# Altium PCB Bus_Terminal.PcbDoc
Units mm, origin at the board's own origin, x right, y up, seen from the top; angles counter-clockwise.
Board outline 18 x 52 mm, 2 copper layers (Top Layer, Bottom Layer); 37 components, 30 nets, 120 pads, 81 vias.
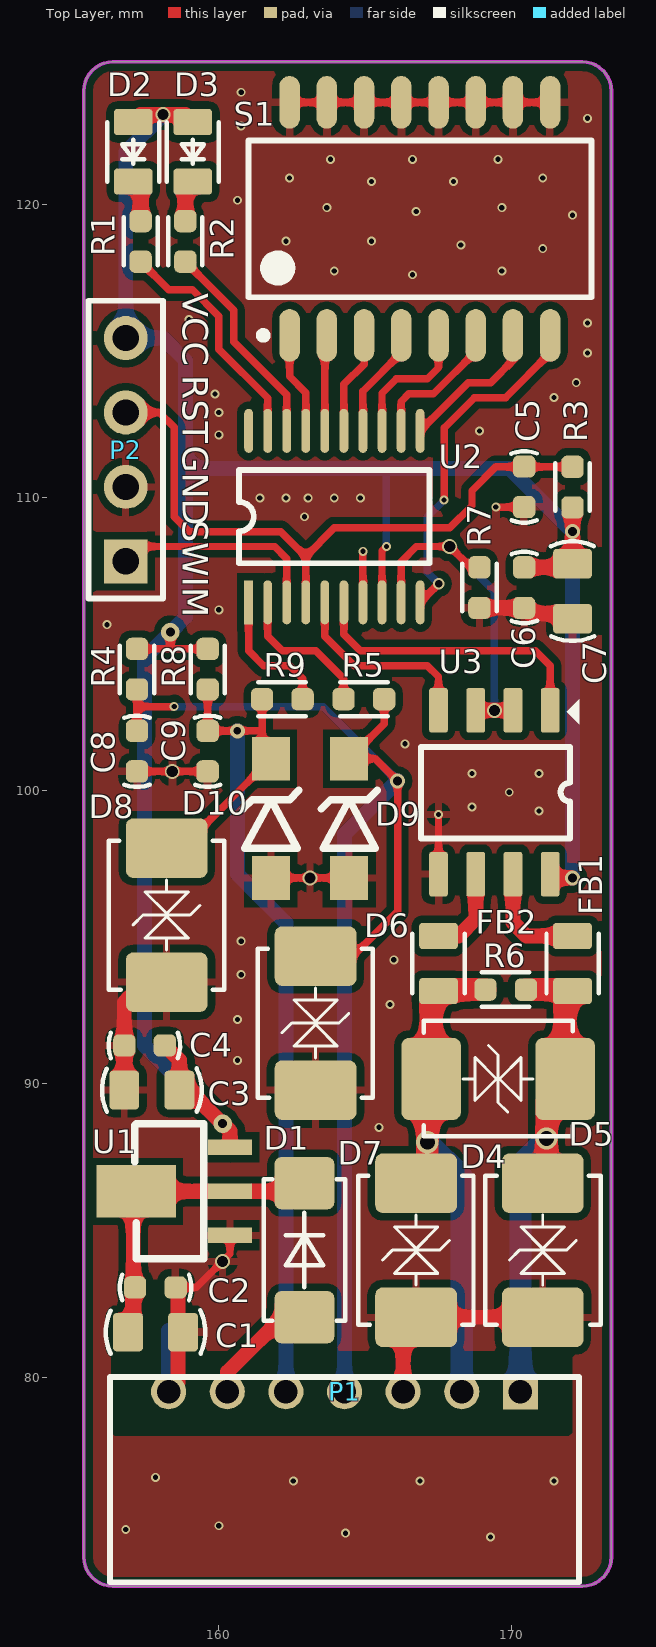
[diagram p0: Top Layer view]
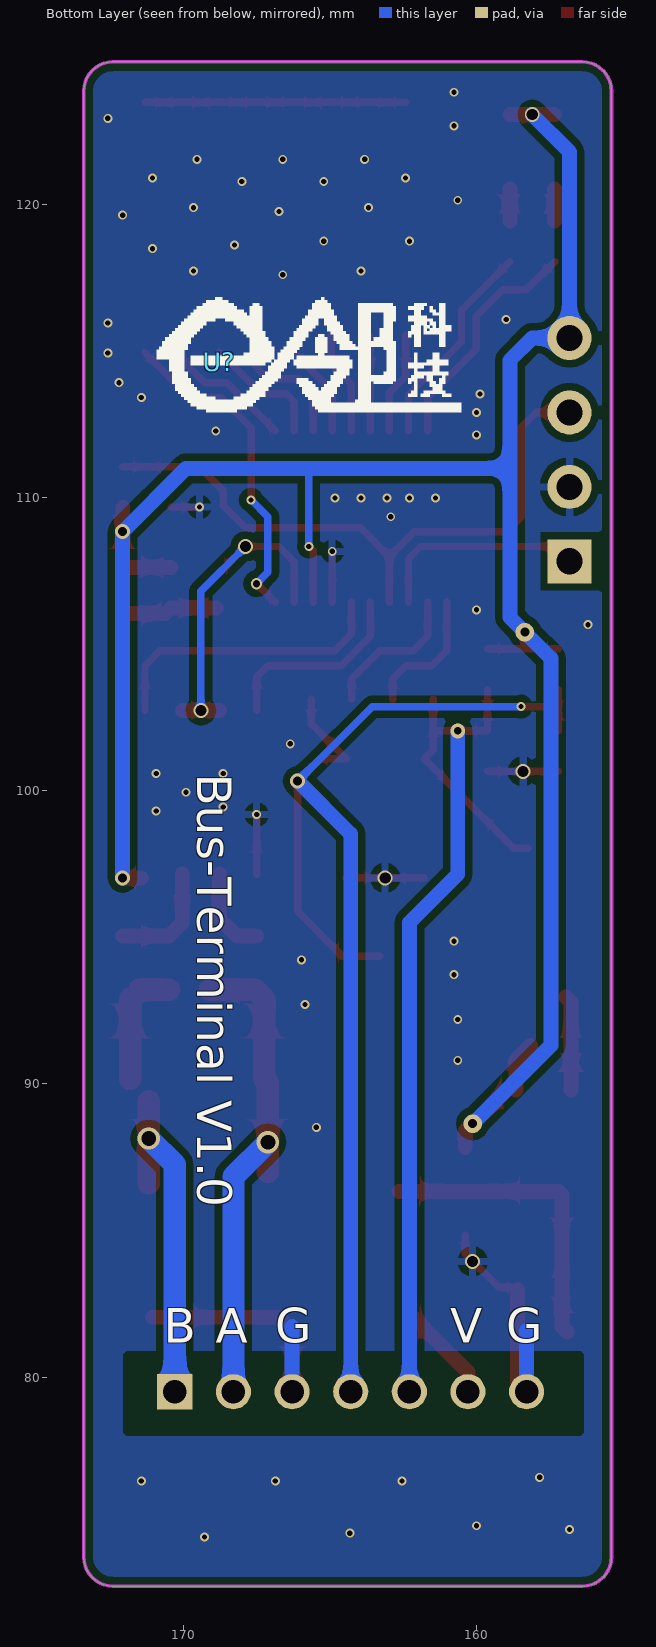
[diagram p1: Bottom Layer view, seen from below]

## Layer stack, top to bottom
Top Solder: solder mask 0.0102, Solder Resist, Dk 3.5
Top Layer: signal copper 0.0356
Dielectric 1: dielectric 0.32, FR-4, Dk 4.8
Bottom Layer: signal copper 0.0356
Bottom Solder: solder mask 0.0102, Solder Resist, Dk 3.5

## Board outline
155.412,73.866 155.412,123.866 cw(c156.412,123.866) 156.412,124.866 172.412,124.866 cw(c172.412,123.866) 173.412,123.866 173.412,73.866 cw(c172.412,73.866) 172.412,72.866 156.412,72.866 cw(c156.412,73.866)

## Design rules (kind name [scope] priority, off if disabled: settings)
Clearance [All] p1: gap=0.254
MinimumSolderMaskSliver [All] p1: minsoldermaskwidth=0
PolygonConnect [All] p1: connectstyle=Relief reliefconductorwidth=0.254 reliefentries=4 polygonreliefangle="90 Angle" airgapwidth=0.254
RoutingVias [All] p1: holewidth=0.508 width=0.508 viastyle="Through Hole" minholewidth=0.127 minwidth=0.254 maxholewidth=1.27 maxwidth=1.27
SilkToSilkClearance [All] p1: silktosilkclearance=0
SilkToSolderMaskClearance [IsPad] p1: minsilkscreentomaskgap=0 clearancetoexposedcopper=TRUE
SolderMaskExpansion [All] p1: expansion=0.102
Width [All] p1: maxlimit=1.27 minlimit=0.254 preferedwidth=0.508
27 further rules are at their usual default settings.

## Components (designator, comment, footprint, x,y, rotation, side; value= is the part's Value field where it differs from the comment)
C1 "10uF" 0805-C 157.861,81.534 r180 top
C2 "100nF" 0603-C 157.861,83.058 r180 top
C3 "10uF" 0805-C 157.734,89.789 r0 top
C4 "100nF" 0603-C 157.48,91.313 r0 top
C5 "100nF" 0603-C 170.434,110.363 r90 top
C6 "100nF" 0603-C 170.434,106.934 r270 top
C7 "10uF" 0805-C 172.085,106.807 r270 top
C8 "100nF" 0603-C 157.226,101.346 r90 top
C9 "100nF" 0603-C 159.639,101.346 r90 top
D1 "1N4007(M7)" DO-214AC(SMA) 162.941,84.328 r90 top
D2 "LED-G" 0805-LED 157.099,121.793 r270 top
D3 "LED-R" 0805-LED 159.131,121.793 r270 top
D4 "SMBJ6.0CA" SMB-DO-214AA-CA 171.069,84.328 r270 top
D5 "SMBJ6.0CA" SMB-DO-214AA-CA 169.545,90.17 r0 top
D6 "SMBJ6.0CA" SMB-DO-214AA-CA 163.322,92.075 r90 top
D7 "SMBJ6.0CA" SMB-DO-214AA-CA 166.751,84.328 r90 top
D8 "SMBJ6.0CA" SMB-DO-214AA-CA 158.242,95.758 r90 top
D9 "ZMM3V3" DIODE_ZMMx 164.465,99.06 r90 top
D10 "ZMM3V3" DIODE_ZMMx 161.798,99.06 r90 top
FB1 "SMD0805P010TF" 0805-R 172.085,94.107 r270 top
FB2 "SMD0805P010TF" 0805-R 167.513,94.107 r270 top
P1 "PH-7AW" PH-7AW 170.307,79.502 r180 top locked
P2 "Header 4" HDR1X4 156.845,107.823 r90 top
R1 "1K" 0603-R 157.353,118.745 r270 top
R2 "1K" 0603-R 158.877,118.745 r270 top
R3 "10K" 0603-R 172.085,110.363 r270 top
R4 "10K" 0603-R 157.226,104.14 r90 top
R5 "2K" 0603-R 164.973,103.124 r180 top
R6 "120R" 0603-R 169.799,93.218 r0 top
R7 "10K" 0603-R 168.91,106.934 r270 top
R8 "10K" 0603-R 159.639,104.14 r90 top
R9 "2K" 0603-R 162.179,103.124 r0 top
S1 "DSHP08TSGER" SOP127P890X230-16N 166.878,119.507 r90 top
U1 "7133" SOT-89 160.401,84.836 r90 top
U2 "STM8L051" TSSOP20 161.036,106.426 r90 top locked
U3 "SP3485" SOP-8 169.418,99.949 r270 top
U? "Comment" elinlogo1 168.797,114.637 r180 bottom

## Footprints (in the part's own frame and the unit in brackets; to place one, negate y for a bottom-side part, rotate by r counter-clockwise, add the part's x,y. Pads: shape width x height; smd on the part's side, far side on the other; paste and mask are expansions set on the pad)
0603-C [mil] "陶瓷电容"
  rrect50% 30x30 smd: 1(-27,0) 2(27.5,-0.06)
  silkscreen extent -48,-17 48,17
0603-R [mil]
  rrect50% 30x30 smd: 1(-27,0) 2(27.5,-0.06)
  silkscreen extent -32,-23 32,23
0805-C [mil] "陶瓷电容"
  rrect25% 40x52 smd: 1(-37,0) 2(37,0)
  silkscreen extent -67,-29 67,29, body extent -39,-24 39,23, height 47
0805-LED [mil] "发光二极管"
  rrect25% 35x52 smd: 1(-40,0) 2(40,0)
  silkscreen extent -40,-35 40,35, body extent -40,-25 40,24, height 43
0805-R [mil]
  rrect25% 35x52 smd: 1(-37,0) 2(37,0)
  silkscreen extent -40,-35 40,35, body extent -39,-25 40,24, height 18
DIODE_ZMMx [mm]
  rect 1.5x1.3 smd: 1(-2.032,0) 2(2.032,0)
  silkscreen extent -1.02,-0.95 0.95,0.95
DO-214AC(SMA) [mil]
  rrect25% 70x80 smd: 1(-90,0) 2(90,0)
  silkscreen extent -95,-55 95,55, body extent -108,-55 108,55, height 91
elinlogo1 [mm]
  silkscreen extent -2.13,-1.73 8.25,2.18
HDR1X4 [mm]
  rect 1.5x1.5 hole 0.9: 1(0,0)
  round 1.5 hole 0.9: 2(2.54,0) 3(5.08,0) 4(7.62,0)
  silkscreen extent -1.27,-1.27 8.89,1.27
PH-7AW [mm] "连接器"
  rect 1.2x1.2 hole 0.8: 1(0,0)
  round 1.2 hole 0.8: 2(2,0) 3(4,0) 4(6,0) 5(8,0) 6(10,0) 7(12,0)
  silkscreen extent -2,-0.5 14,6.5
SMB-DO-214AA-CA [mil] "双向TVS"
  rrect25% 80x110 smd: 1(-90,0) 2(90,0)
  silkscreen extent -100,-77 100,78, body extent -110,-78 110,78, height 104
SOP127P890X230-16N [mm] "SOP, 16-Leads, Body 11.74x5.40mm, Pitch 1.27mm, IPC Medium Density"
  oval 1.8x0.7 smd: 1(-3.975,4.445) 2(-3.975,3.175) 3(-3.975,1.905) 4(-3.975,0.635) 5(-3.975,-0.635) 6(-3.975,-1.905) 7(-3.975,-3.175) 8(-3.975,-4.445) 9(3.975,-4.445) 10(3.975,-3.175) 11(3.975,-1.905) 12(3.975,-0.635) 13(3.975,0.635) 14(3.975,1.905) 15(3.975,3.175) 16(3.975,4.445)
  silkscreen extent -4.1,-5.85 2.67,5.85, body extent -2.7,-5.85 2.7,5.85, height 2.3
SOP-8 [mil]
  rrect25% 60x25 smd: 1(-110,75) 2(-110,25) 3(-110,-25) 4(-110,-75) 5(110,-75) 6(110,-25) 7(110,25) 8(110,75)
  silkscreen extent -125,-99 62,114, body extent -118,-98 118,99, height 69
SOT-89 [mm]
  rect 0.52x1.5 smd: 1(0,0) 2(1.5,0) 3(3,0)
  rect 1.8x2.7 smd: 4(1.5,3.2)
  silkscreen extent -0.8,0.9 3.8,3.25
TSSOP20 [mm] "单片机"
  rect 1.5x0.3 smd: 1(0,0)
  round 0.5 on Top Overlay: 1(0.61,0.635)
  oval 1.5x0.3 smd: 2(0,-0.65) 3(0,-1.3) 4(0,-1.95) 5(0,-2.6) 6(0,-3.25) 7(0,-3.9) 8(0,-4.55) 9(0,-5.2) 10(0,-5.85) 11(5.85,-5.85) 12(5.85,-5.2) 13(5.85,-4.55) 14(5.85,-3.9) 15(5.85,-3.25) 16(5.85,-2.6) 17(5.85,-1.95) 18(5.85,-1.3) 19(5.85,-0.65) 20(5.85,0)
  silkscreen extent 1.33,-6.18 4.52,0.32

## Part data
C1 C2 C3 C4 C5 C6 C7 C8 C9: library part C
D1: library part 1N4007, "1A整流二极管"
D2: library part LED-GRE, "绿色LED"
D3: library part LED-RED, "红色LED"
D4 D5 D6 D7 D8: "TVS"
D9 D10: library part ZMM3V6
FB1 FB2: library part Res, "保险丝"
P1: "连接器"
P2: "Header, 4-Pin"
R1 R2 R3 R4 R5 R6 R7 R8 R9: library part Res
S1: "贴片拨码开关"
U1: "LDO"
U2: "单片机"
U3: library part MAX3485

## Via types
v1: diameter 0.305, hole 0.178, Top Layer to Bottom Layer, tented both sides, 66 vias
v2: diameter 0.508, hole 0.381, Top Layer to Bottom Layer, tented both sides, 6 vias
v3: diameter 0.508, hole 0.305, Top Layer to Bottom Layer, tented both sides, 3 vias
v4: diameter 0.635, hole 0.305, Top Layer to Bottom Layer, tented both sides, 2 vias
v5: diameter 0.762, hole 0.508, Top Layer to Bottom Layer, tented both sides, 2 vias
v6: diameter 0.508, hole 0.254, Top Layer to Bottom Layer, tented both sides, 1 vias
v7: diameter 0.381, hole 0.254, Top Layer to Bottom Layer, tented both sides, 1 vias

## Nets (pads, with @x,y where several pads share a name; then routed paths per layer and width w, separated by ;. In a path a pad name is that pad's centre, name@x,y a point inside that pad or via, vN(x,y) a via of type N, cw(c..) or ccw(c..) an arc to the next point about the centre after c; other vN are vias at no path point)
GND: C1.1 C2.1 C3.1 C4.1 C5.1 C6.2 C7.2 C8.1 C9.1 D4.2 D6.1 D7.1 D8.1 D9.1 D10.1 P1.3 P1.7 P2.2 R7.2 S1.9 S1.10 S1.11 S1.12 S1.13 S1.14 S1.15 S1.16 U1.1 U2.7 U3.5 | length 43.2
  Top Layer w0.254: C8.1 C9.1 ; C2.1 159.258,83.058 160.401,84.201 U1.1 ; D10.1 D9.1 ; S1.16 S1.15 S1.14 S1.13 S1.12 S1.11 S1.10 S1.9 ; U2.7 v1(164.936,108.167) ; U3.5 v1(167.513,99.187) ; v1(169.469,109.677) C5.1 ; C6.2 C6.2@170.623,106.045
  Top Layer w0.508: C3.1 C4.1 156.794,92.786 D8.1@156.972,92.964 ; P1.7 158.623,79.818 C2.1@158.623,82.982 ; P1.3 166.307,81.598 D7.1 D4.2 ; R7.2 C6.2 ; C6.2@170.623,106.045 171.907,106.045 C7.2
  Bottom Layer w0.508: P1.7 158.307,81.596 ; P1.3 166.307,81.724
  other v1: 169.291,74.549 164.338,74.676 156.845,74.803 160.02,74.93 162.56,76.454 166.878,76.454 171.45,76.454 157.861,76.581 165.481,88.519 160.655,90.805 160.655,92.202 165.862,92.71 160.782,93.726 165.989,94.234 160.782,94.869 170.942,99.314 168.656,99.441 169.926,99.949 168.656,100.584 170.942,100.584 166.37,101.6 156.21,105.664 160.02,106.172 162.941,109.347 161.417,109.982 162.306,109.982 163.068,109.982 163.957,109.982 164.846,109.982 160.02,112.141 168.91,112.268 160.02,112.903 171.45,113.411 159.893,113.538 172.212,113.919 172.593,114.935 172.593,115.951 159.004,116.078 166.624,117.602 163.957,117.729 169.672,117.729 171.069,118.491 168.275,118.618 162.306,118.745 165.227,118.745 172.085,119.634 166.751,119.761 163.703,119.888 169.672,119.888 160.655,120.142 165.227,120.777 168.021,120.777 162.433,120.904 171.069,120.904 163.83,121.539 166.624,121.539 169.545,121.539 160.782,122.682 172.593,122.936 160.782,123.825
  other v2: 160.147,83.947 163.131,97.028 158.433,100.66
IN1: C8.2 D6.2 D9.2 P1.4 R4.1 R5.1 | length 45.3
  Top Layer w0.254: C8.2@157.226,102.046 157.226,102.87 ; R4.1 157.226,102.87 ; v1(158.496,102.87) 157.226,102.87 ; D6.2 164.592,94.361 166.116,95.885 v3(166.116,100.33) 165.354,101.092 D9.2 165.659,102.286 R5.1
  Bottom Layer w0.254: v1(158.496,102.87) 163.576,102.87 v3(166.116,100.33)
  Bottom Layer w0.508: P1.4 164.307,98.521 v3(166.116,100.33)
IN2: C9.2 D8.2 D10.2 P1.5 R8.1 R9.1 | length 33.4
  Top Layer w0.254: D8.2 158.75,98.044 D10.2 161.493,101.397 R9.1 ; R8.1@159.641,103.453 C9.2 161.43,102.044
  Bottom Layer w0.508: v6(160.655,102.044) 160.655,97.155 162.307,95.503 P1.5
NetC1_2: C1.2 C2.2 D1.2 U1.2 U1.4 | length 10.2
  Top Layer w0.508: C1.2 157.099,81.712 U1.4@157.099,86.234 ; U1.4 U1.2 D1.2@162.663,86.336
NetD2_2: D2.2 R1.1 | length 1.1
  Top Layer w0.508: R1.1 D2.2@157.353,120.523
NetD3_2: D3.2 R2.1 | length 1.1
  Top Layer w0.508: R2.1 D3.2@158.877,120.523
NetFB1_1: FB1.1 U3.7 | length 3.9
  Top Layer w0.508: U3.7 170.053,95.504 170.51,95.047 FB1.1
NetFB2_1: FB2.1 U3.6 | length 3
  Top Layer w0.508: FB2.1 168.199,95.047 168.783,95.631 U3.6
NRST: C5.2 P2.3 R3.1 U2.4 | length 22.2
  Top Layer w0.254: P2.3 157.988,112.903 158.496,112.395 158.496,109.347 159.004,108.839 162.135,108.839 162.986,107.988 ; U2.4 162.986,107.988 ; R3.1 169.469,111.049 168.656,110.236 168.656,109.728 167.894,108.966 163.964,108.966 162.986,107.988
PA0: P2.1 U2.3 | length 6.6
  Top Layer w0.254: P2.1@157.353,108.331 161.925,108.331 162.336,107.92 U2.3
PB0: S1.8 U2.10 | length 11.3
  Top Layer w0.254: U2.10 v7(167.521,107.061) ; v1(167.703,109.918) 167.703,112.375 168.739,113.411 169.799,113.411 S1.8@171.323,114.935
  Bottom Layer w0.254: v7(167.521,107.061) 167.132,107.45 167.132,109.347 v1(167.703,109.918)
PB1: S1.7 U2.11 | length 5
  Top Layer w0.254: U2.11 168.529,113.919 169.291,113.919 170.053,114.681 S1.7
PB2: S1.6 U2.12 | length 4.3
  Top Layer w0.254: U2.12 166.236,113.277 166.497,113.538 167.342,113.538 S1.6@168.783,114.979
PB3: S1.5 U2.13 | length 4.7
  Top Layer w0.254: U2.13 165.586,113.56 166.072,114.046 167.132,114.046 167.513,114.427 S1.5
PB4: S1.4 U2.14 | length 3.2
  Top Layer w0.254: U2.14 164.936,113.628 S1.4@166.243,114.935
PB5: S1.3 U2.15 | length 3.5
  Top Layer w0.254: U2.15 164.286,113.867 164.973,114.554 S1.3
PB6: S1.2 U2.16 | length 3.2
  Top Layer w0.254: U2.16 S1.2@163.636,115.465
PB7: S1.1 U2.17 | length 3.5
  Top Layer w0.254: S1.1 162.433,114.129 162.986,113.576 U2.17
PC0: R2.2 U2.18 | length 7.2
  Top Layer w0.254: R2.2 160.528,116.394 160.528,115.316 162.336,113.508 U2.18
PC1: R1.2 U2.19 | length 8
  Top Layer w0.254: R1.2 158.315,117.083 159.12,117.083 160.02,116.183 160.02,115.062 161.686,113.396 U2.19
PC4: U2.20
PC5: R9.2 U2.1@161.036,106.426 | length 4.6
  Top Layer w0.254: U2.1@161.036,106.426 161.036,104.775 161.544,104.267 162.433,104.267 162.877,103.822 R9.2
PC6: R5.2 U2.2 | length 5
  Top Layer w0.254: U2.2 161.686,105.268 162.179,104.775 163.322,104.775 164.274,103.822 R5.2
PD0: R7.1 U2.9 U3.2 U3.3 | length 12
  Top Layer w0.254: U2.9 166.236,107.816 166.751,108.331 v2(167.894,108.331) R7.1@168.783,107.442
  Top Layer w0.508: U3.3 v2(169.418,102.743) U3.2
  Bottom Layer w0.254: v2(167.894,108.331) 169.418,106.807 v2(169.418,102.743)
RS485_A: D5.1 D7.2 FB2.2 P1.2 R6.1 | length 16.7
  Top Layer w0.762: D7.2@167.132,86.995 v5(167.132,88.011) D5.1@167.132,90.043 ; D5.1 167.259,92.913 FB2.2 ; FB2.2@167.564,93.218 R6.1
  Bottom Layer w0.762: v5(167.132,88.011) 168.307,86.836 P1.2
RS485_B: D4.1 D5.2 FB1.2 P1.1 R6.2 | length 15.6
  Top Layer w0.762: R6.2 FB1.2@171.528,93.216 ; D4.1@171.196,86.614 v5(171.196,88.138) D5.2@171.196,89.408 ; D5.2 FB1.2@171.831,92.913
  Bottom Layer w0.762: P1.1 170.307,87.249 v5(171.196,88.138)
USART_R: U2.6 U3.1 | length 10.1
  Top Layer w0.254: U2.6 164.286,105.335 164.846,104.775 170.815,104.775 171.323,104.267 U3.1
USART_T: U2.5 U3.4 | length 6.8
  Top Layer w0.254: U2.5 163.636,105.267 164.636,104.267 167.132,104.267 167.513,103.886 U3.4
VCC+3.3: C3.2 C4.2 C6.1 C7.1 D2.1 D3.1 P2.4 R3.2 R4.2 R8.2 U1.3 U2.8 U3.8 | length 81.4
  Top Layer w0.254: R4.2 R8.2 ; U2.8 165.586,108.182 v1(165.735,108.331)
  Top Layer w0.305: 158.369,104.902 v4(158.369,105.41)
  Top Layer w0.508: D2.1@157.353,123.063 v2(158.115,123.063) D3.1@158.877,123.063 ; C4.2 158.674,90.816 C3.2 ; C3.2@159.004,89.789 v4(160.147,88.646) 160.401,88.392 U1.3 ; C6.1 C7.1@171.958,107.62 ; U3.8@171.45,97.028 v3(172.085,97.028) ; C7.1@172.083,107.748 R3.2
  Bottom Layer w0.254: v1(165.735,108.331) 165.735,110.871
  Bottom Layer w0.508: v2(158.115,123.063) 156.845,121.793 P2.4 158.115,115.443 158.877,114.681 158.877,110.998 ; v4(160.147,88.646) 157.48,91.313 157.48,104.521 v4(158.369,105.41) 158.877,105.918 158.877,110.998 ; v3(172.085,97.028) v3(172.085,108.839) 169.926,110.998 158.877,110.998
VIN: D1.1 P1.6 | length 3.3
  Top Layer w0.508: P1.6 160.307,80.17 D1.1@162.179,82.042
pads on no net: U2.1@160.401,107.036

## Polygon pours and split planes (outlines as drawn)
GND on Top Layer "Top layer" (solid, remove dead copper, pour order 4): 154.94,125.222 173.736,125.222 173.736,73.152 173.101,72.517 159.512,72.517 155.829,72.517 154.813,73.533 154.94,73.66 154.94,125.222
GND on Bottom Layer "Top layer" (solid, remove dead copper, pour order 3): 154.94,125.222 173.736,125.222 173.736,73.152 173.101,72.517 159.512,72.517 155.829,72.517 154.813,73.533 154.94,73.66 154.94,125.222

## Keep-outs
Keep-Out Layer:
  the board outline again, w0.127

## Other copper
Top Layer:
  pour cut-out: 156.337,80.772 156.464,80.899 164.211,80.899 171.958,80.899 172.085,80.772 172.085,78.105 171.958,77.978 156.464,77.978 156.337,78.105
Bottom Layer:
  pour cut-out: 156.337,80.772 156.464,80.899 164.211,80.899 171.958,80.899 172.085,80.772 172.085,78.105 171.958,77.978 156.464,77.978 156.337,78.105

## Silkscreen, mask and mechanical layers (free items; w line width, h text height)
Top Overlay:
  text "VCC" at 158.496,116.967 h1.5 r270
  text "RST" at 158.496,114.173 h1.5 r270
  text "GND" at 158.496,111.76 h1.5 r270
  text "SWIM" at 158.496,109.22 h1.5 r270
Bottom Overlay:
  text "Bus-Terminal V1.0" at 169.926,100.584 h2 r90
  text "G" at 159.004,80.772 h2
  text "V" at 160.909,80.772 h2
  text "G" at 166.878,80.772 h2
  text "A" at 168.91,80.772 h2
  text "B" at 170.688,80.772 h2